# Altium PCB Fri3D_2018_01.PcbDoc (part 2 of 3)
Units mm, origin at the board's own origin, x right, y up, seen from the top; angles counter-clockwise.
Board outline 119.76 x 104.41 mm, 2 copper layers (Top Layer, Bottom Layer), stack 1.571 mm thick; 170 components, 102 nets, 573 pads, 233 vias.
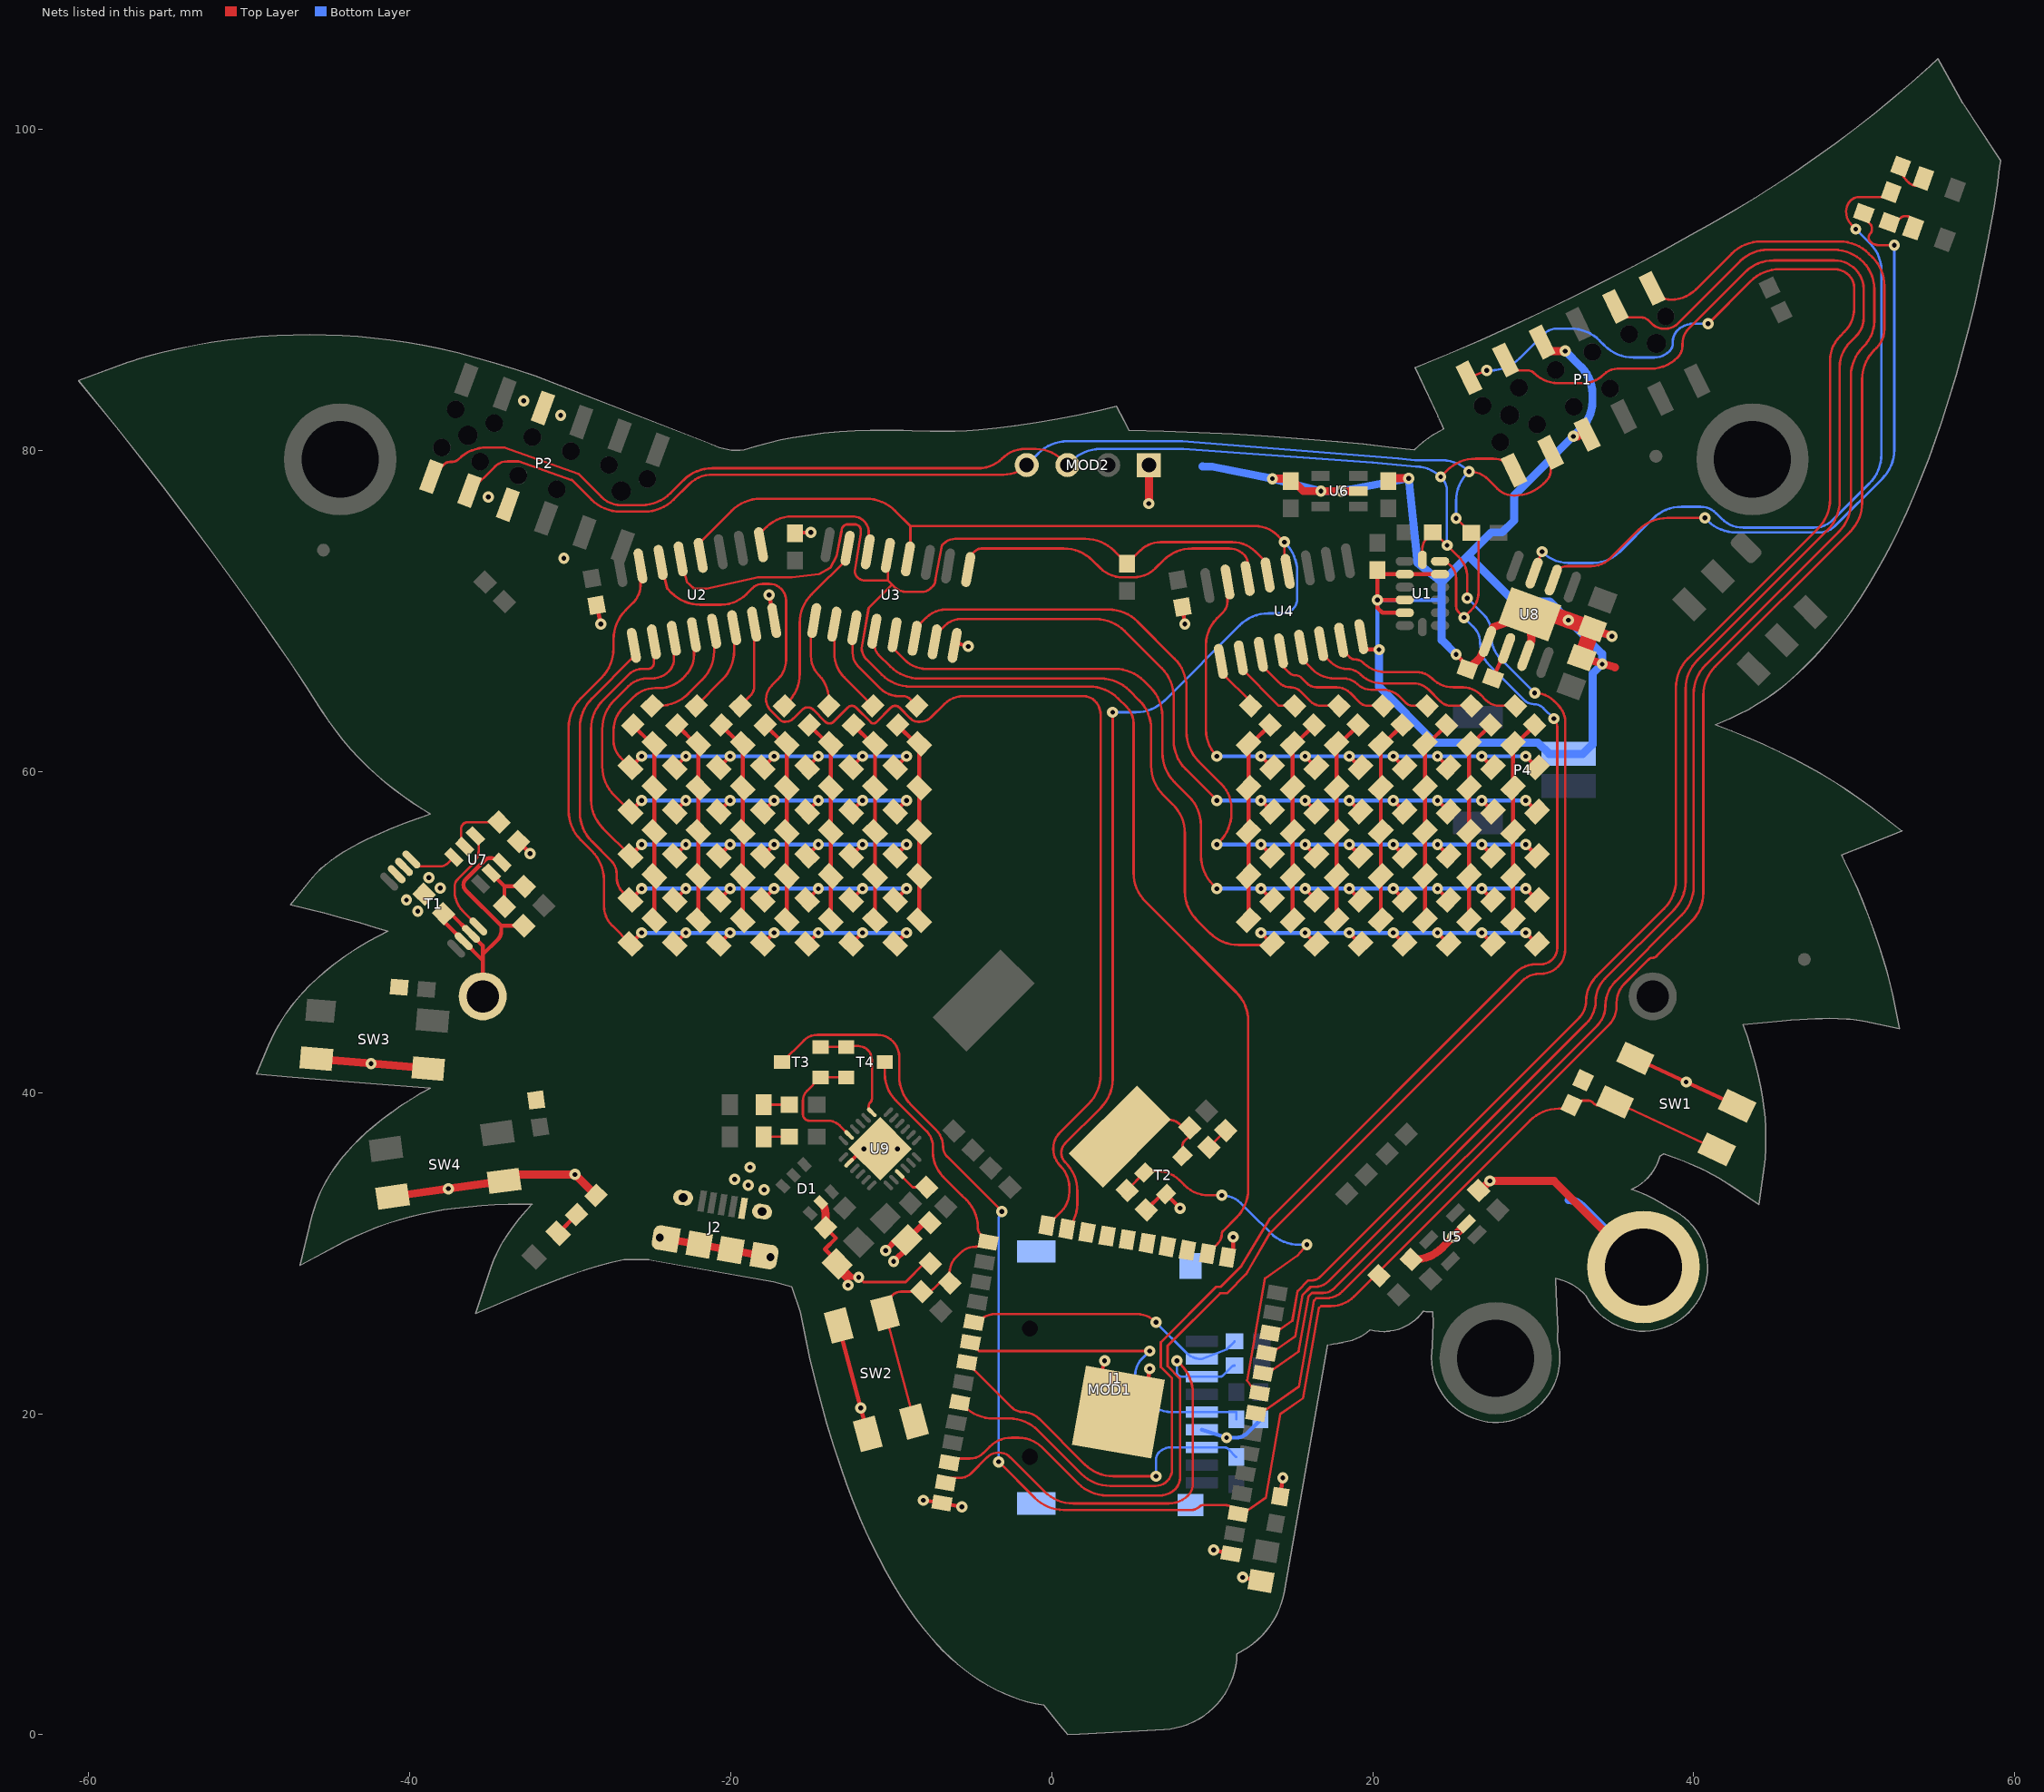
[diagram p2: the nets of this part, all layers, seen from the top]

## Via types
v1: diameter 0.7, hole 0.3, Top Layer to Bottom Layer, tented top, 233 vias

## Nets (pads, with @x,y where several pads share a name; then routed paths per layer and width w, separated by ;. In a path a pad name is that pad's centre, name@x,y a point inside that pad or via, vN(x,y) a via of type N, cw(c..) or ccw(c..) an arc to the next point about the centre after c; other vN are vias at no path point) (continued)
BUZZER: MOD1.9 R31.1 T2.1 | length 24.3
  Top Layer w0.15: R31.1@4.699,33.901 4.699,33.943 T2.1@5.78,35.023 5.857,35.1 6.628,35.1 cw(c6.628,33.237) 7.945,34.555 8.264,34.236 ccw(c9.8,35.773) 9.8,33.6 v1(10.6,33.6) ; MOD1.9@12.943,21.266 12.708,21.307 12.173,22.071 13.294,28.425 15.3,29.83 v1(15.904,30.522)
  Bottom Layer w0.15: v1(10.6,33.6) cw(c10.6,31.927) 11.782,33.111 ; 11.783,33.11 12.4,32.493 13.627,31.266 ccw(c15.423,33.062) 15.423,30.522 v1(15.904,30.522)
CP2102.DTR: T3.1 T4.2 U9.23 | length 7.8
  Top Layer w0.15: T3.1@-14.5,40.95 T3.1@-14.5,40.85 ; T4.2@-12.8,40.95 T3.1@-14.4,40.95 T3.1@-14.5,40.85 ; U9.23@-12.621,37.366 -13.207,37.952 ccw(c-13.927,37.233) -13.927,38.25 -15.1,38.25 cw(c-15.1,38.65) -15.298,38.303 cw(c-15.1,38.65) -15.5,38.65 -15.5,39.5 cw(c-14.655,39.5) -15.253,40.097 T3.1@-14.5,40.85
CP2102.RTS: T3.2 T4.1 U9.19 | length 7
  Top Layer w0.15: T3.2@-14.4,42.85 T4.1@-12.75,42.85 ; T4.1@-12.7,42.9 -12.054,42.9 cw(c-12.054,42.046) -11.45,42.65 cw(c-12.054,42.046) -11.2,42.046 -11.2,39.641 cw(c-11.541,39.641) -11.3,39.4 ccw(c-11.059,39.159) -11.4,39.159 -11.4,38.973 U9.19@-11.207,38.78
ESP.BOOT: C14.1 MOD1.25 R28.2 SW2.1 T4.3 | length 29.5
  Top Layer w0.15: T4.3@-10.4,41.9 -10.4,41.19 ccw(c-8.01,41.19) -9.701,39.501 -7.8,37.6 ; SW2.1@-8.568,19.507 SW2.1@-10.379,26.269 cw(c-8.806,26.269) -9.919,27.381 cw(c-9.388,26.851) -9.388,27.601 R28.2@-8.101,27.601 -7.761,27.601 ccw(c-7.761,28.11) -7.401,27.75 -7.003,28.149 C14.1@-6.351,28.149 -6.351,28.821 cw(c-5.071,28.821) -5.977,29.725 -5.702,30 cw(c-4.737,29.034) -4.737,30.4 -4.678,30.4 ccw(c-4.678,31.408) MOD1.25@-3.965,30.695 -4.409,31.139 cw(c-3.949,31.6) -4.6,31.6 ccw(c-7.014,31.6) -5.307,33.307 -5.6,33.6 -6.764,34.764 cw(c-5.227,36.3) -7.4,36.3 -7.4,36.634 ccw(c-8.766,36.634) -7.799,37.599
ESP.RESET: C22.1 MOD1.3 R29.2 SW1.1 T3.3 | length 98.2
  Top Layer w0.15: T3.3@-16.8,41.9 -15.454,43.246 cw(c-14.6,42.393) -14.6,43.6 -10.866,43.6 cw(c-10.866,42.234) -9.9,43.2 cw(c-10.866,42.234) -9.5,42.234 -9.5,41.025 ccw(c-6.96,41.025) -8.756,39.229 -7.214,37.687 cw(c-8.301,36.6) -6.764,36.6 ccw(c-5.951,36.6) -6.526,36.026 v1(-3.1,32.6) ; v1(-3.3,17) -1.044,14.744 ccw(c0.752,16.54) 0.752,14 8.717,14 ccw(c8.717,14.683) 9.2,14.2 cw(c9.441,13.959) 9.441,14.3 10.8,14.3 cw(c10.8,13.621) 11.28,14.101 MOD1.3@11.619,13.762 11.854,13.72 13.334,14.757 14.256,19.989 15.653,20.967 16.645,26.591 16.8,26.7 17.4,26.7 ccw(c17.4,28.74) 18.842,27.297 29.801,38.256 cw(c31.597,36.46) 31.597,39 31.837,39 ccw(c31.837,39.784) 32.36,39.2 ccw(c31.837,39.784) C22.1@32.391,39.23 cw(c33.044,38.577) 33.044,39.5 33.459,39.5 cw(c33.459,39.159) 33.7,39.4 33.759,39.341 ccw(c34.1,39.683) 34.1,39.2 34.564,39.2 ccw(c34.564,39.95) SW1.1@35.094,39.42 SW1.1@41.438,36.461
  Bottom Layer w0.15: v1(-3.3,17) -3.3,32.117 cw(c-2.617,32.117) v1(-3.1,32.6)
GBAT: BAT1.2 C12.2 R19.1 T1.2 T1.3 U7.6 | length 21
  Top Layer w0.25: -36.3,52.4 -36.509,52.609 ; BAT1.2@-35.45,46 -35.45,48.24 ; U7.6@-34.247,54.341 ccw(c-34.873,53.715) -34.873,54.6 -35.08,54.6 ccw(c-35.08,54.333) -35.268,54.522 -36.515,53.275 ccw(c-36.19,52.95) -36.65,52.95 ccw(c-36.167,52.95) -36.509,52.609 ; C12.2@-32.899,50.399 -34.299,50.399 ; -36.509,52.609 -34.299,50.399 ; -35.45,48.24 T1.2@-36.644,49.434 -37.899,50.689 R19.1@-37.899,51.149 -37.439,51.149 T1.3@-36.184,49.894 -35.45,49.16 -35.45,48.6 ; -35.45,48.24 -35.45,48.6 ; -35.45,48.6 -34.5,49.55 ccw(c-34.985,50.035) -34.299,50.035 -34.299,50.075 -34.299,50.399
GND: C1.2 C2.2 C3.2 C4.2 C5.2 C6.2 C7.2 C8.2 C9.2 C10.2 C11.2 C13.2 C14.2 C15.2 C16.2 C17.2 C18.1 C19.2 C20.1 C21.2 C22.2 D1.2 J1.6 J1.G1 J1.G2 J1.G3 J1.G4 J2.5 J2.MH1 J2.MH2 J2.MH3 J2.MH4 MOD1.1 MOD1.15 MOD1.38 MOD1.39 MOD2.1 P1.5 P1.6 P2.5 P2.6 P4.2 pad.0@36.873,29.136 R18.2 R19.2 R21.2 R26.2 R31.2 SW1.2 SW2.2 SW3.2 SW4.2 T1.6 T1.7 T2.2 U1.2 U1.4 U1.5 U1.12 U2.8 U3.8 U4.8 U5.2 U6.2 U8.1 U8.3 U8.9 U9.2 U9.25 | length 240.7
  Top Layer w0.15: v1(-12.023,28.5) -11.723,28.2 -9.1,28.2 -7.949,29.351 C14.2@-7.553,29.351
  Top Layer w0.25: R18.2@-33.225,55.649 -32.5,54.924 v1(-32.5,54.9) ; C5.2@-28.352,70.363 v1(-28.1,69.2) ; v1(-17.6,71) U2.8@-17.284,69.408 ; C6.2@-16,74.85 v1(-15,74.9) ; C19.2@-14.095,31.599 -13.437,30.94 -14.127,30.25 -13.366,29.489 C20.1@-13.366,29.328 ; SW2.2@-13.277,25.493 v1(-11.9,20.353) SW2.2@-11.465,18.731 ; U9.2@-12.621,35.634 -11.755,36.5 v1(-11.707,36.5) U9.25@-10.694,36.5 ; v1(-8,14.6) MOD1.38@-6.832,14.436 v1(-5.6,14.2) ; U3.8@-6.039,67.865 -5.9,68 v1(-5.2,67.8) ; v1(3.3,23.3) 3.1,22.5 MOD1.39@4.162,20.093 6,22 v1(6.1,22.8) ; R31.2@5.901,32.699 6.882,33.68 T2.2@7.123,33.68 8,32.803 v1(8,32.8) ; C7.2@8.148,70.263 v1(8.3,69.2) ; v1(10.1,11.5) MOD1.1@11.178,11.26 ; MOD1.15@10.955,29.741 11.3,30.086 v1(11.3,31) ; v1(11.9,9.8) C4.2@13.035,9.564 ; C3.2@14.248,14.837 14.3,15.3 v1(14.4,16) ; U4.8@19.294,68.408 19.214,68.058 19.5,67.6 v1(20.4,67.6) ; U1.5@22.003,69.9 20.6,69.9 20.3,70.2 v1(20.3,70.7) ; U1.4@22.003,70.7 v1(20.3,70.7) ; U1.12@24.198,72.3 U1.2@22.003,72.3 20.55,72.3 C1.2@20.3,72.55 v1(20.3,70.7) ; v1(25.2,67.3) 25.5,67 R21.2@25.901,66.391 ; SW1.2@36.362,42.139 v1(39.534,40.659) SW1.2@42.706,39.18
  Top Layer w0.35: v1(-12.694,28) -12.694,28.307 -13.366,28.979 C20.1@-13.366,29.328 -13.258,29.328 -12.43,28.5 v1(-12.023,28.5) ; v1(-10.351,30.156) -9.679,30.828 C18.1@-9.023,30.828 ; v1(-9.851,29.485) -9.023,30.313 C18.1@-9.023,30.828 ; C17.2@-7.594,31.899 -7.952,31.899 C18.1@-9.023,30.828
  Top Layer w0.5: SW3.2@-45.817,42.111 v1(-42.407,41.812) SW3.2@-38.844,41.501 ; SW4.2@-41.057,33.527 v1(-37.598,34.015) SW4.2@-34.125,34.502 -33.727,34.9 v1(-29.698,34.9) R26.2@-28.399,33.601 ; J2.MH1@-23.829,30.865 J2.MH3@-21.958,30.535 J2.MH4@-19.988,30.187 J2.MH2@-18.117,29.857 ; D1.2@-14.376,33.151 cw(c-15.055,32.473) -14.095,32.473 C19.2@-14.095,31.599 ; v1@6.06,76.71 MOD2.1@6.06,79.1 ; v1(13.75,78.25) 14.9,78.25 14.925,78.225 15.675,77.475 v1(16.775,77.475) v1(18.025,77.475) U6.2@19.1,77.475 ; C10.2@20.925,78.325 20.975,78.275 v1(22.25,78.275) ; C9.2@22.399,29.6 22.548,29.6 ccw(c22.548,32.14) 24.344,30.344 U5.2@25.831,31.831 ; R21.2@25.901,66.391 26.5,66.9 26.7,67.1 U8.1@27.155,68.102 27.5,69 U8.9@29.8,69.8 29.9,68.2 U8.3@29.542,67.234 ; C8.2@26.7,33.9 v1(27.3,34.5) 31.3,34.5 pad.0@36.9,28.9 ; P1.6@30.563,86.761 31.125,86.2 v1(32,86.2) ; v1(32.5,80.886) 32.786,80.886 33,81.1 P1.5@33.369,81.009 ; C15.2@33.025,67.093 34.308,66.724 35.097,66.497 ; C16.2@33.675,68.907 v1(34.9,68.428)
  Top Layer w1: U8.9@29.8,69.8 30.9,69.9 v1(32.2,69.435) C16.2@33.675,68.907 C15.2@33.025,67.093
  Bottom Layer w0.25: J1.6@9.35,19 v1(10.9,18.5) 11.476,18.5 ccw(c11.476,19.524) 12.2,18.8 12.965,19.565 ccw(c12.879,19.65) C2.2@13,19.65 ; v1(20.4,67.6) 20.3,67.7 v1(20.3,70.7) 24.3,70.7
  Bottom Layer w0.5: 9.398,79.015 10,79 v1(13.75,78.25) v1(16.775,77.475) v1(18.025,77.475) v1(22.25,78.275) 22.8,73 24.3,71.8 ; v1(20.4,67.6) 20.4,65.3 23.9,61.8 30.3,61.8 31,61.1 P4.2@32.2,61.1 33.1,61.1 33.7,61.7 33.7,66.097 v1(34.3,66.697) 34.3,67.335 v1(32.2,69.435) 31.035,70.6 28.8,70.6 26,73.4 25.9,73.4 ; v1(25.2,67.3) 24.3,68.2 24.3,70.7 24.3,71.8 ; v1(32,86.2) 33,85.2 cw(c31.328,83.528) 33.692,83.528 33.692,83.072 cw(c31.328,83.072) 33,81.4 28.822,77.222 28.822,75.653 28.07,74.9 27.4,74.9 25.9,73.4 ; 32.2,33.3 cw(c32.2,32.072) 33.069,32.94 pad.0@36.873,29.136 ; 24.3,71.8 25.9,73.4
  other v1: 24.993,31 -17.925,33.95 -18.9,34.225 -19.75,34.6 -18.8,35.35 -9.607,36.49 -39.5,51.3 -40.207,52 -38.1,52.75 -38.807,53.4 -30.4,73.3 6.05,76.7 -35.1,77.1 -30.596,82.2 -32.9,83.1
I2C.SCL: MOD1.36 MOD2.3 P1.1 P2.1 R2.2 U1.14 | length 168.4
  Top Layer w0.15: P2.1@-38.659,78.375 -38.625,78.375 -37.863,79.137 cw(c-37.47,78.745) -37.47,79.3 -37.339,79.3 ccw(c-37.339,79.814) -36.976,79.45 cw(c-35.18,77.654) -36.367,79.9 cw(c-35.18,77.654) -36.15,80.002 cw(c-35.18,77.654) -35.18,80.194 -34.094,80.194 -29.5,78.551 -28.061,77.113 ccw(c-26.824,78.35) -26.824,76.6 -25.552,76.6 ccw(c-25.552,79.14) -23.756,77.344 -22.944,78.156 cw(c-21.148,76.36) -21.65,78.85 cw(c-21.148,76.36) -21.148,78.9 -4.549,78.9 ccw(c-4.549,80.949) -4.283,78.917 ccw(c-4.549,80.949) -3.1,79.5 cw(c-1.651,78.051) -1.651,80.1 -1,80.1 cw(c-1,77.734) MOD2.3@0.672,79.408 ; MOD1.36@-6.391,16.937 -6.128,17.2 -5.1,17.2 ccw(c-5.1,18.407) -4.246,17.554 -3.866,17.934 cw(c-2.5,16.569) -3.864,17.936 cw(c-2.5,16.569) -2.5,18.5 -2.049,18.5 cw(c-2.049,16.451) -0.6,17.9 1.656,15.644 ccw(c3.452,17.44) 3.452,14.9 6.734,14.9 ccw(c6.734,16.266) 7.699,15.299 ; MOD2.3@0.673,79.407 MOD2.3@0.98,79.1 ; 7.7,15.3 ccw(c6.976,16.024) 8,16.024 8,22.187 7.225,22.962 7.225,24.225 10.5,27.5 10.919,27.5 12.119,28.7 12.2,28.839 13.601,31.251 29.29,46.94 ; U1.14@23.1,73.198 23.1,73.9 cw(c23.945,73.9) 23.347,74.498 R2.2@23.75,74.9 23.845,74.9 25.345,73.4 cw(c24.006,72.061) 25.9,72.061 v1@25.9,70.8 ; v1(24.236,78.364) 24.629,78.756 cw(c26.425,76.96) 26.425,79.5 27.5,79.5 cw(c27.5,78.087) 28.499,79.086 P1.1@28.803,78.782 ; 29.291,46.941 cw(c30.4,45.831) 30.4,47.4 30.464,47.4 ccw(c30.464,48.936) 31.55,47.85 ccw(c30.464,48.936) 32,48.936 32,63.1 ccw(c30.551,63.1) 31.599,64.1 ccw(c30.551,63.1) 31.576,64.124 31.299,64.401 ccw(c30.094,63.195) 30.101,64.9 ccw(c30.094,63.195) v1(30.094,64.9)
  Bottom Layer w0.15: MOD2.3@0.98,79.1 1.236,79.356 cw(c3.032,77.56) 3.032,80.1 8.2,80.1 20,79.257 22.7,79 cw(c22.7,76.827) v1(24.236,78.364) 24.3,78.3 cw(c23.515,77.515) 24.625,77.515 24.625,74.113 v1(24.638,74.1) ; v1@25.893,70.9 25.893,70.807 26.905,69.795 cw(c25.71,68.6) 27.4,68.6 27.4,68.434 ccw(c29.427,68.434) 27.993,67.001 ccw(c29.427,68.434) 27.994,67 v1(30.094,64.9)
  other v1: 25.893,70.8
I2C.SDA: MOD1.33 MOD2.4 P1.3 P2.3 R1.2 U1.13 | length 170.4
  Top Layer w0.15: P2.3@-36.272,77.506 -36.194,77.506 -34.701,78.999 ; -34.7,79 cw(c-33.9,78.199) -33.9,79.331 -33.242,79.331 -29.9,78.165 -28.679,76.944 ccw(c-26.883,78.74) -26.883,76.2 -25.352,76.2 ccw(c-25.352,78.74) -23.556,76.944 -22.6,77.9 cw(c-21.151,76.451) -21.306,78.494 cw(c-21.151,76.451) -21.151,78.5 -3.009,78.5 ccw(c-3.009,80.549) MOD2.4@-1.56,79.1 ; MOD1.33@-5.729,20.69 cw(c-5.729,20.594) -5.662,20.662 -5.444,20.444 ccw(c-3.648,22.24) -3.648,19.7 -2.652,19.7 cw(c-2.652,17.16) -0.856,18.956 1.856,16.244 ccw(c3.652,18.04) 3.652,15.5 6.476,15.5 ccw(c6.476,16.524) 7.2,15.8 ccw(c6.476,16.524) 7.5,16.524 7.5,22.2 6.8,22.9 6.8,24.445 10.255,27.9 10.519,27.9 11.819,29.2 11.9,29.334 13.606,32.156 28.937,47.487 cw(c30.175,46.25) 30.175,48 30.476,48 ccw(c30.476,49.024) 31.2,48.3 ; v1(25.2,75.778) R1.2@26.15,74.875 ; 25.346,69.947 cw(c25.7,70.3) 25.2,70.3 25.2,72.054 ccw(c24.123,72.054) 24.885,72.815 ccw(c24.198,72.128) U1.13@24.43,73.072 ; 25.346,69.946 v1(25.693,69.6) 26.11,70.017 ccw(c24.927,71.2) 26.6,71.2 26.6,74.953 R1.2@26.125,74.953 ; v1(26,78.7) cw(c26,77.01) 27.195,78.205 27.776,77.624 ccw(c28.8,78.649) 28.8,77.2 28.848,77.2 ccw(c28.848,79.74) 30.644,77.944 30.817,78.117 ccw(c30.134,78.8) 31.1,78.8 31.1,79.862 ccw(c31.053,79.862) P1.3@31.086,79.896 ; 31.2,48.3 ccw(c30.476,49.024) 31.5,49.024 31.5,62.8 ccw(c30.793,62.8) 31.3,63.293 ccw(c30.793,62.8) v1(31.293,63.3) ; U1.13@24.43,73.072 ccw(c24.198,72.128) U1.13@24.198,73.1 24.402,73.1 U1.13@24.43,73.072
  Bottom Layer w0.15: MOD2.4@-1.56,79.1 -0.818,79.842 cw(c0.978,78.046) 0.978,80.586 8.138,80.586 21.6,79.504 22.633,79.4 24.31,79.4 cw(c24.31,77.01) v1(26,78.7) 25.944,78.644 ccw(c27.74,76.848) 25.2,76.848 v1(25.2,75.778) ; v1(25.693,69.6) 26.281,69.012 ; 26.281,69.012 cw(c25.269,68) 26.7,68 ccw(c28.631,68) 27.266,66.634 29.455,64.445 ccw(c30.046,65.036) 30.046,64.2 cw(c30.046,63.364) 30.638,63.955 v1(31.293,63.3)
NetBUZ1_2: BUZ1.2 R20.1 T2.3 | length 6.8
  Top Layer w0.15: BUZ1.2@4.243,37.257 4.541,37.556 cw(c6.337,35.76) 6.337,38.3 7.347,38.3 cw(c7.347,37.448) 7.949,38.051 8.199,37.801 R20.1@8.599,37.801 8.599,37.299 8.254,36.954 ccw(c8.507,36.7) 8.149,36.7 T2.3@8.149,36.049
NetC12_1: C12.1 R17.2 U7.5 | length 3.7
  Top Layer w0.25: U7.5@-34.919,53.669 -34.101,52.851 ; C12.1@-34.101,51.601 -34.101,52.851 ; R17.2@-32.851,52.851 -34.101,52.851
NetD2_2: D2.2 D9.2 D16.2 D23.2 D30.2 R3.1 | length 12.6
  Top Layer w0.25: R3.1@-26.101,62.899 D2.2@-24.945,61.743 ; D30.2@-24.758,50.742 D23.2@-24.758,53.492 D16.2@-24.758,56.242 D9.2@-24.758,58.992 D2.2@-24.758,61.742
NetD3_2: D3.2 D10.2 D17.2 D24.2 D31.2 R4.1 | length 12.6
  Top Layer w0.25: R4.1@-23.351,62.899 D3.2@-22.195,61.743 ; D31.2@-22.008,50.742 D24.2@-22.008,53.492 D17.2@-22.008,56.242 D10.2@-22.008,58.992 D3.2@-22.008,61.742
NetD4_2: D4.2 D11.2 D18.2 D25.2 D32.2 R5.1 | length 12.6
  Top Layer w0.25: R5.1@-20.601,62.899 D4.2@-19.445,61.743 ; D32.2@-19.258,50.742 D25.2@-19.258,53.492 D18.2@-19.258,56.242 D11.2@-19.258,58.992 D4.2@-19.258,61.742
NetD5_2: D5.2 D12.2 D19.2 D26.2 D33.2 R6.1 | length 12.6
  Top Layer w0.25: R6.1@-17.851,62.899 D5.2@-16.695,61.743 ; D33.2@-16.508,50.742 D26.2@-16.508,53.492 D19.2@-16.508,56.242 D12.2@-16.508,58.992 D5.2@-16.508,61.742
NetD6_2: D6.2 D13.2 D20.2 D27.2 D34.2 R7.1 | length 12.6
  Top Layer w0.25: R7.1@-15.101,62.899 D6.2@-13.945,61.743 ; D34.2@-13.758,50.742 D27.2@-13.758,53.492 D20.2@-13.758,56.242 D13.2@-13.758,58.992 D6.2@-13.758,61.742
NetD7_2: D7.2 D14.2 D21.2 D28.2 D35.2 R8.1 | length 12.6
  Top Layer w0.25: R8.1@-12.351,62.899 D7.2@-11.195,61.743 ; D35.2@-11.008,50.742 D28.2@-11.008,53.492 D21.2@-11.008,56.242 D14.2@-11.008,58.992 D7.2@-11.008,61.742
NetD8_2: D8.2 D15.2 D22.2 D29.2 D36.2 R9.1 | length 12.6
  Top Layer w0.25: R9.1@-9.601,62.899 D8.2@-8.445,61.743 ; D36.2@-8.258,50.742 D29.2@-8.258,53.492 D22.2@-8.258,56.242 D15.2@-8.258,58.992 D8.2@-8.258,61.742
NetD37_2: D37.2 D44.2 D51.2 D58.2 D65.2 R10.1 | length 12.8
  Top Layer w0.25: D65.2@12.258,50.742 D58.2@12.258,53.492 D51.2@12.258,56.242 D44.2@12.258,58.992 D37.2@12.258,61.742 12.444,61.742 R10.1@13.601,62.899
NetD38_2: D38.2 D45.2 D52.2 D59.2 D66.2 R11.1 | length 12.8
  Top Layer w0.25: D66.2@15.008,50.742 D59.2@15.008,53.492 D52.2@15.008,56.242 D45.2@15.008,58.992 D38.2@15.008,61.742 15.194,61.742 R11.1@16.351,62.899
NetD39_2: D39.2 D46.2 D53.2 D60.2 D67.2 R12.1 | length 12.8
  Top Layer w0.25: D67.2@17.758,50.742 D60.2@17.758,53.492 D53.2@17.758,56.242 D46.2@17.758,58.992 D39.2@17.758,61.742 17.944,61.742 R12.1@19.101,62.899
NetD40_2: D40.2 D47.2 D54.2 D61.2 D68.2 R13.1 | length 12.8
  Top Layer w0.25: D68.2@20.508,50.742 D61.2@20.508,53.492 D54.2@20.508,56.242 D47.2@20.508,58.992 D40.2@20.508,61.742 20.694,61.742 R13.1@21.851,62.899
NetD41_2: D41.2 D48.2 D55.2 D62.2 D69.2 R14.1 | length 12.8
  Top Layer w0.25: D69.2@23.258,50.742 D62.2@23.258,53.492 D55.2@23.258,56.242 D48.2@23.258,58.992 D41.2@23.258,61.742 23.444,61.742 R14.1@24.601,62.899
NetD42_2: D42.2 D49.2 D56.2 D63.2 D70.2 R15.1 | length 12.8
  Top Layer w0.25: D70.2@26.008,50.742 D63.2@26.008,53.492 D56.2@26.008,56.242 D49.2@26.008,58.992 D42.2@26.008,61.742 26.194,61.742 R15.1@27.351,62.899
NetD43_2: D43.2 D50.2 D57.2 D64.2 D71.2 R16.1 | length 12.8
  Top Layer w0.25: D71.2@28.758,50.742 D64.2@28.758,53.492 D57.2@28.758,56.242 D50.2@28.758,58.992 D43.2@28.758,61.742 28.944,61.742 R16.1@30.101,62.899
NetD72_2: D72.2 R22.1 | length 2.1
  Top Layer w0.15: R22.1@52.199,94.209 ccw(c52.199,95.2) 52.9,94.5 cw(c53.142,94.257) 53.142,94.6 53.3,94.6 cw(c53.3,94.359) 53.471,94.529 cw(c52.971,94.03) 53.678,94.03 D72.2@53.678,93.857
NetD73_2: D73.2 R23.1 | length 2.3
  Top Layer w0.15: R23.1@52.891,97.699 ccw(c54.072,97.699) 53.237,96.863 53.388,96.712 ccw(c53.9,97.224) 53.9,96.5 54.281,96.881 ccw(c54.203,96.959) D73.2@54.313,96.959
NetD74_2: D74.2 R24.1 | length 1.6
  Top Layer w0.15: D74.2@-17.95,39.25 R24.1@-16.35,39.25
NetD75_2: D75.2 R25.1 | length 1.6
  Top Layer w0.15: D75.2@-17.95,37.25 R25.1@-16.35,37.25
NetD76_2: D76.2 R26.1 | length 1.6
  Top Layer w0.25: D76.2@-30.758,31.242 R26.1@-29.601,32.399
NetR18_1: R18.1 U7.2 | length 3.8
  Top Layer w0.15: -36.674,56.726 ccw(c-36.371,56.422) -36.8,56.422 -36.8,55.55 U7.2@-36.581,55.331 ; -36.674,56.726 cw(c-36.371,56.422) -36.371,56.851 R18.1@-34.427,56.851
NetR20_2: R20.2 R30.2 | length 1.5
  Top Layer w0.15: R20.2@9.801,36.599 R30.2@10.851,37.649
NetR21_1: R21.1 U8.2 | length 2
  Top Layer w0.25: R21.1@27.499,65.809 U8.2@28.348,67.668
NetR22_2: R22.2 U8.6 | length 42
  Top Layer w0.15: U8.6@31.252,71.932 cw(c32.12,71.932) 32.12,72.8 33.61,72.8 ccw(c33.61,74.507) 34.818,73.3 36.574,75.056 cw(c38.37,73.26) 38.37,75.8 v1(40.7,75.8) ; R22.2@50.601,94.791 ccw(c51.257,94.791) 50.793,94.327 51,94.12 cw(c50.759,93.879) 51.1,93.879 51.1,93.741 cw(c50.759,93.741) 51,93.5 ccw(c51.228,93.272) 50.905,93.272 50.905,93.253 ccw(c51.228,93.253) 51,93.025 ccw(c51.543,93.568) 51.543,92.8 v1(52.5,92.8)